# EAGLE board AU_MacroPad with Encoder - 8 Panel (EAGLE 9.6.2), part 4 of 5 (continued)
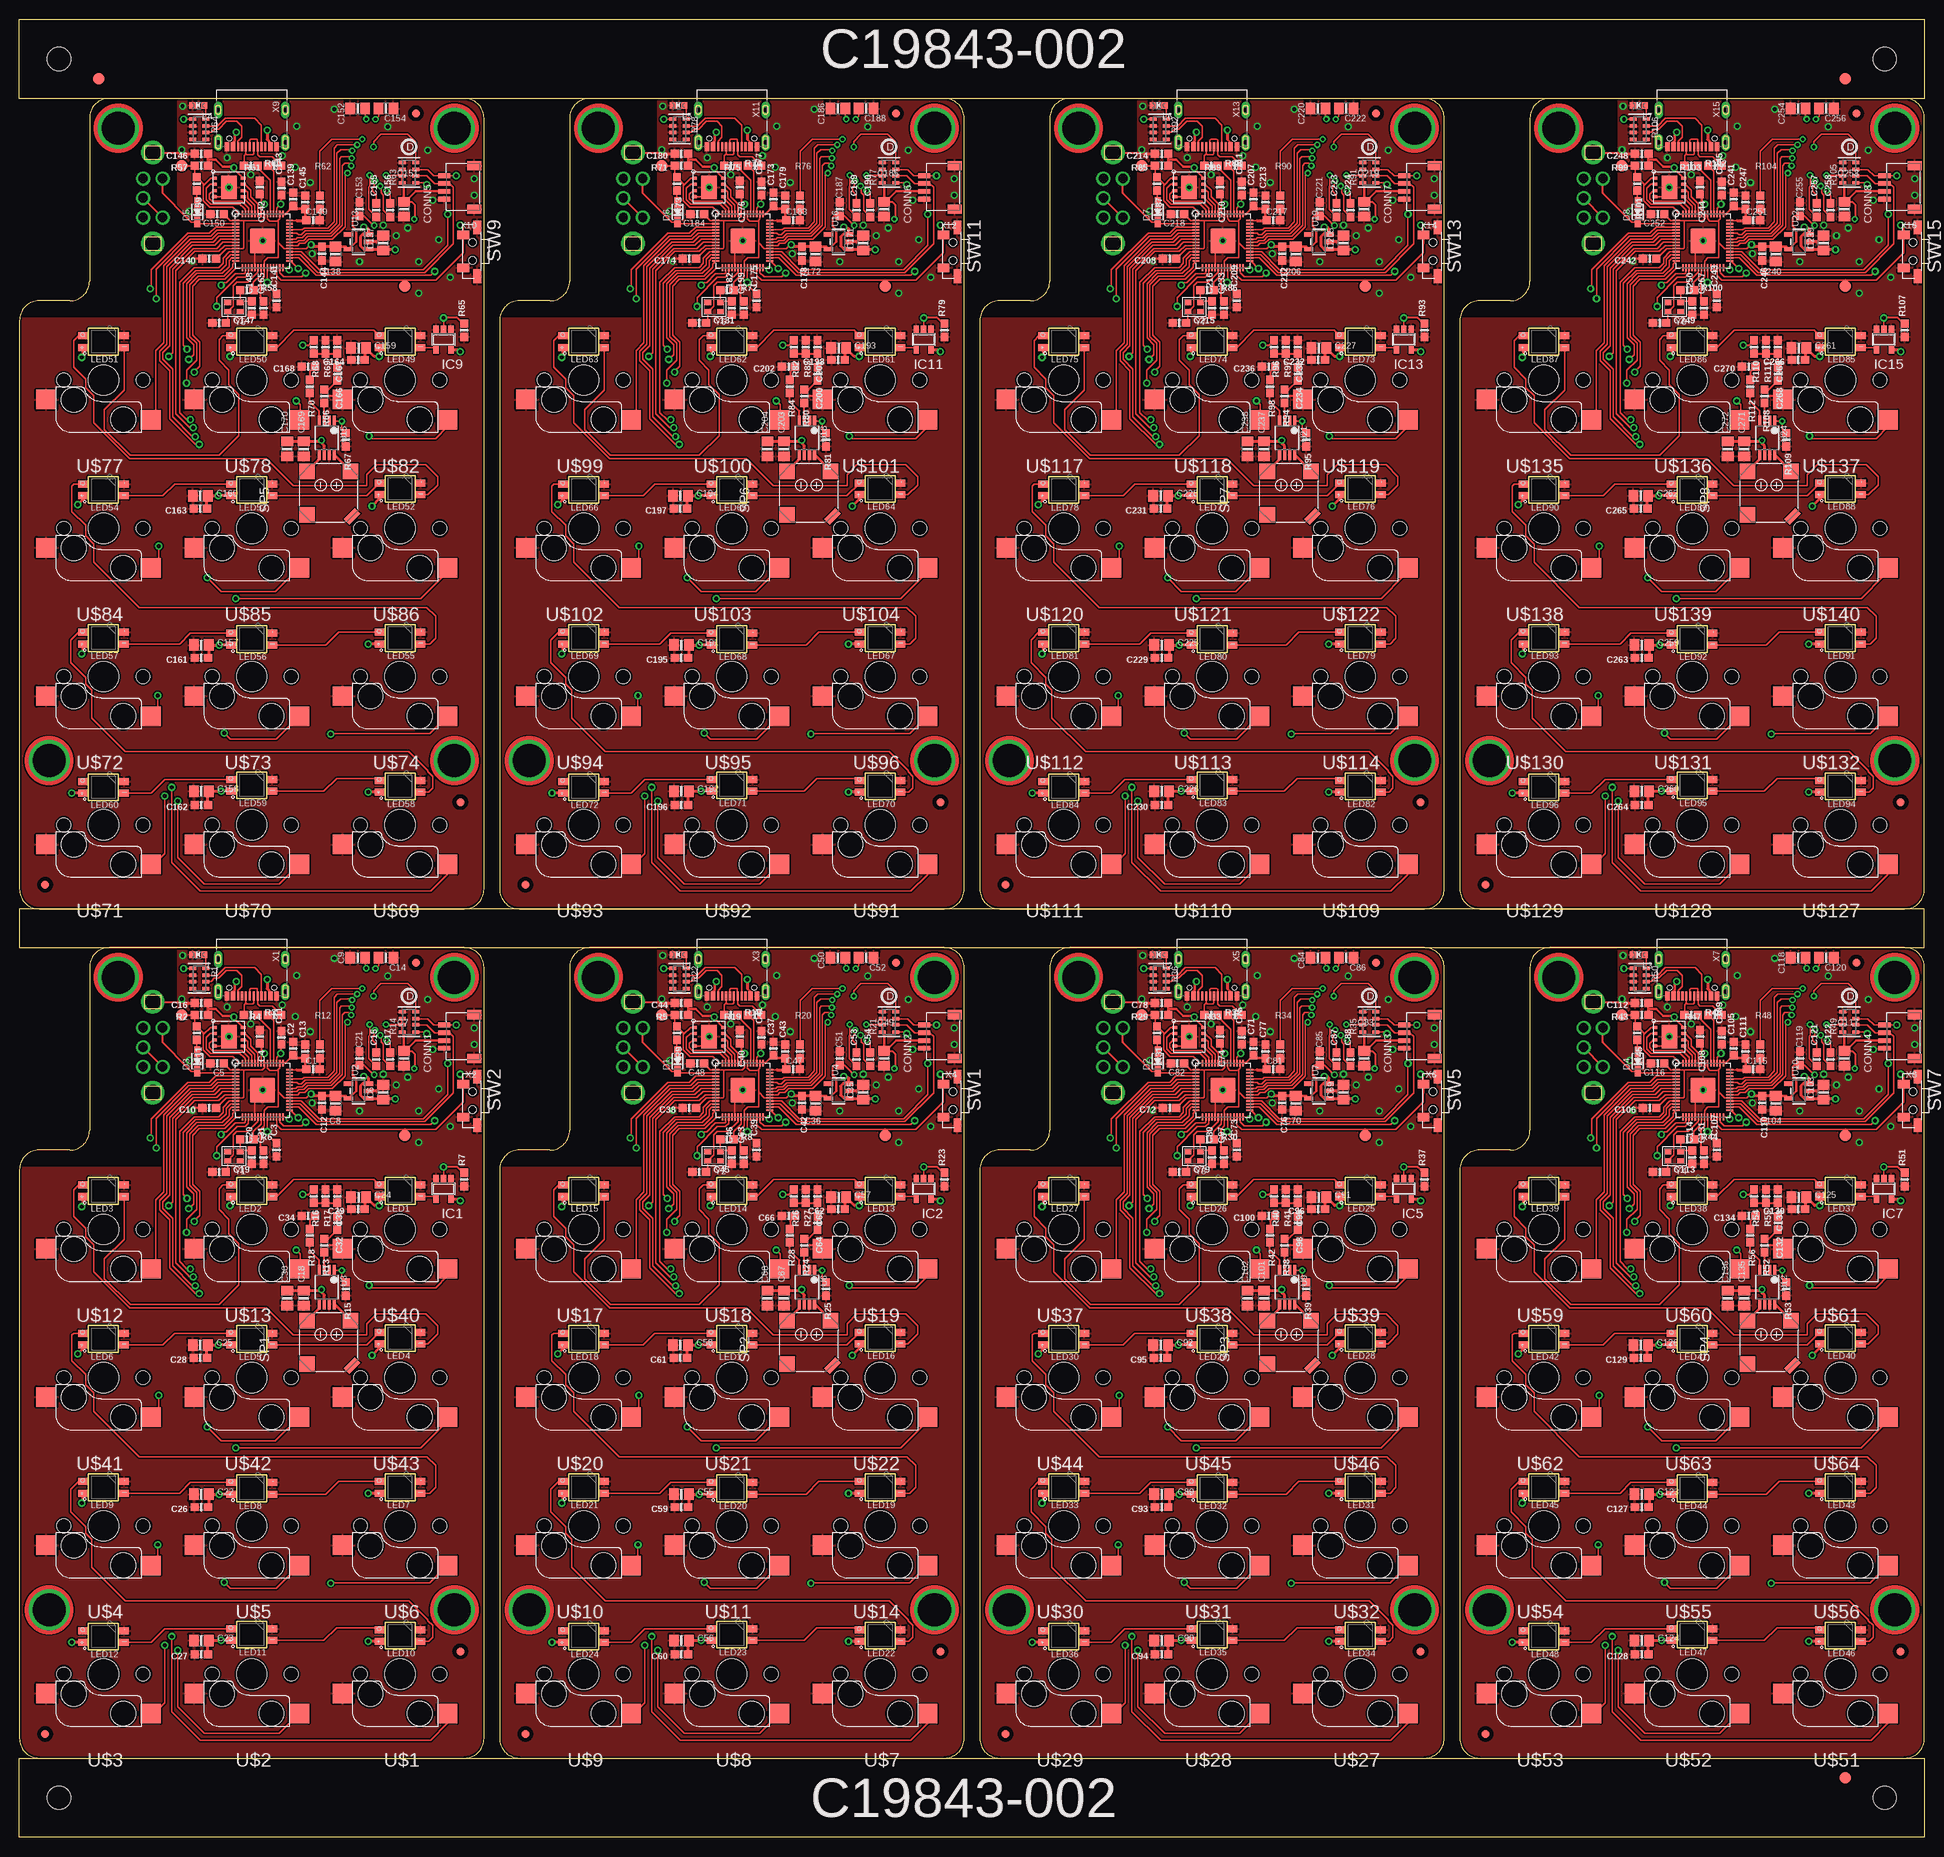
[diagram p0: board, top side]
## Tracks (layer width: path | path; a pad name or v marks a point on that pad's centre or on a via) (continued)
OLED_CS  (via drill 0.39)
  Top 0.178: IC3.34 35.73,95.41 36.02,95.7 36.64,95.7 37.17,96.22 40.22,96.22 41.84,97.85 41.84,104.42 v42.15,104.73
  Bottom 0.178: v42.15,104.73 41.26,105.61 41.26,109.01 41.55,109.29 X2.8
OLED_CS1  (via drill 0.39)
  Top 0.178: IC4.34 97.42,95.41 97.71,95.7 98.33,95.7 98.86,96.22 101.91,96.22 103.53,97.85 103.53,104.42 v103.84,104.73
  Bottom 0.178: v103.84,104.73 102.95,105.61 102.95,109.01 103.24,109.29 X4.8
OLED_CS2  (via drill 0.39)
  Top 0.178: IC6.34 159.11,95.41 159.4,95.7 160.02,95.7 160.55,96.22 163.6,96.22 165.22,97.85 165.22,104.42 v165.53,104.73
  Bottom 0.178: v165.53,104.73 164.64,105.61 164.64,109.01 164.93,109.29 X6.8
OLED_CS3  (via drill 0.39)
  Top 0.178: IC8.34 220.8,95.41 221.09,95.7 221.71,95.7 222.24,96.22 225.29,96.22 226.91,97.85 226.91,104.42 v227.22,104.73
  Bottom 0.178: v227.22,104.73 226.33,105.61 226.33,109.01 226.62,109.29 X8.8
OLED_CS4  (via drill 0.39)
  Top 0.178: IC10.34 35.73,204.55 36.02,204.84 36.64,204.84 37.17,205.37 40.22,205.37 41.84,206.99 41.84,213.56 v42.15,213.87
  Bottom 0.178: v42.15,213.87 41.26,214.76 41.26,218.15 41.55,218.43 X10.8
OLED_CS5  (via drill 0.39)
  Top 0.178: IC12.34 97.42,204.55 97.71,204.84 98.33,204.84 98.86,205.37 101.91,205.37 103.53,206.99 103.53,213.56 v103.84,213.87
  Bottom 0.178: v103.84,213.87 102.95,214.76 102.95,218.15 103.24,218.43 X12.8
OLED_CS6  (via drill 0.39)
  Top 0.178: IC14.34 159.11,204.55 159.4,204.84 160.02,204.84 160.55,205.37 163.6,205.37 165.22,206.99 165.22,213.56 v165.53,213.87
  Bottom 0.178: v165.53,213.87 164.64,214.76 164.64,218.15 164.93,218.43 X14.8
OLED_CS7  (via drill 0.39)
  Top 0.178: IC16.34 220.8,204.55 221.09,204.84 221.71,204.84 222.24,205.37 225.29,205.37 226.91,206.99 226.91,213.56 v227.22,213.87
  Bottom 0.178: v227.22,213.87 226.33,214.76 226.33,218.15 226.62,218.43 X16.8
OLED_DC  (via drill 0.39)
  Top 0.178: IC3.36 35.48,96.21 35.69,96.41 36.35,96.41 36.87,96.94 39.92,96.94 41.13,98.14 41.13,106.59 41.35,106.81 42.52,106.81 v42.7,106.62
  Bottom 0.178: X2.10 42.55,109.13 42.07,108.64 42.07,107.26 v42.7,106.62
OLED_DC1  (via drill 0.39)
  Top 0.178: IC4.36 97.17,96.21 97.37,96.41 98.04,96.41 98.56,96.94 101.61,96.94 102.82,98.14 102.82,106.59 103.04,106.81 104.2,106.81 v104.39,106.62
  Bottom 0.178: X4.10 104.24,109.13 103.75,108.64 103.75,107.26 v104.39,106.62
OLED_DC2  (via drill 0.39)
  Top 0.178: IC6.36 158.87,96.21 159.07,96.41 159.73,96.41 160.25,96.94 163.3,96.94 164.51,98.14 164.51,106.59 164.73,106.81 165.9,106.81 v166.08,106.62
  Bottom 0.178: X6.10 165.93,109.13 165.45,108.64 165.45,107.26 v166.08,106.62
OLED_DC3  (via drill 0.39)
  Top 0.178: IC8.36 220.56,96.21 220.75,96.41 221.42,96.41 221.94,96.94 224.99,96.94 226.2,98.14 226.2,106.59 226.42,106.81 227.59,106.81 v227.77,106.62
  Bottom 0.178: X8.10 227.62,109.13 227.14,108.64 227.14,107.26 v227.77,106.62
OLED_DC4  (via drill 0.39)
  Top 0.178: IC10.36 35.48,205.35 35.69,205.55 36.35,205.55 36.87,206.08 39.92,206.08 41.13,207.28 41.13,215.73 41.35,215.95 42.52,215.95 v42.7,215.76
  Bottom 0.178: X10.10 42.55,218.27 42.07,217.78 42.07,216.4 v42.7,215.76
OLED_DC5  (via drill 0.39)
  Top 0.178: IC12.36 97.17,205.35 97.37,205.55 98.04,205.55 98.56,206.08 101.61,206.08 102.82,207.28 102.82,215.73 103.04,215.95 104.2,215.95 v104.39,215.76
  Bottom 0.178: X12.10 104.24,218.27 103.75,217.78 103.75,216.4 v104.39,215.76
OLED_DC6  (via drill 0.39)
  Top 0.178: IC14.36 158.87,205.35 159.07,205.55 159.73,205.55 160.25,206.08 163.3,206.08 164.51,207.28 164.51,215.73 164.73,215.95 165.9,215.95 v166.08,215.76
  Bottom 0.178: X14.10 165.93,218.27 165.45,217.78 165.45,216.4 v166.08,215.76
OLED_DC7  (via drill 0.39)
  Top 0.178: IC16.36 220.56,205.35 220.75,205.55 221.42,205.55 221.94,206.08 224.99,206.08 226.2,207.28 226.2,215.73 226.42,215.95 227.59,215.95 v227.77,215.76
  Bottom 0.178: X16.10 227.62,218.27 227.14,217.78 227.14,216.4 v227.77,215.76
OLED_RST  (via drill 0.39)
  Top 0.178: IC3.35 35.63,95.81 35.87,96.06 36.5,96.06 37.02,96.58 40.07,96.58 41.48,97.99 41.48,105.68 41.77,105.96 42.3,105.96 v42.62,105.65 | R14.4 50.89,108.68 49.89,109.68 46.42,109.68 45.49,108.75 v45.49,108.08
  Bottom 0.178: X2.9 42.05,109.13 41.71,108.79 41.71,106.55 v42.62,105.65 43.65,105.65 45.49,107.48 v45.49,108.08
OLED_RST1  (via drill 0.39)
  Top 0.178: IC4.35 97.32,95.81 97.56,96.06 98.19,96.06 98.71,96.58 101.76,96.58 103.17,97.99 103.17,105.68 103.46,105.96 103.99,105.96 v104.31,105.65 | R21.4 112.58,108.68 111.58,109.68 108.11,109.68 107.18,108.75 v107.18,108.08
  Bottom 0.178: X4.9 103.74,109.13 103.4,108.79 103.4,106.55 v104.31,105.65 105.34,105.65 107.18,107.48 v107.18,108.08
OLED_RST2  (via drill 0.39)
  Top 0.178: IC6.35 159.01,95.81 159.25,96.06 159.88,96.06 160.4,96.58 163.45,96.58 164.87,97.99 164.87,105.68 165.15,105.96 165.68,105.96 v166,105.65 | R35.4 174.27,108.68 173.27,109.68 169.8,109.68 168.87,108.75 v168.87,108.08
  Bottom 0.178: X6.9 165.43,109.13 165.09,108.79 165.09,106.55 v166,105.65 167.03,105.65 168.87,107.48 v168.87,108.08
OLED_RST3  (via drill 0.39)
  Top 0.178: IC8.35 220.7,95.81 220.94,96.06 221.57,96.06 222.09,96.58 225.14,96.58 226.55,97.99 226.55,105.68 226.84,105.96 227.37,105.96 v227.69,105.65 | R49.4 235.96,108.68 234.96,109.68 231.49,109.68 230.56,108.75 v230.56,108.08
  Bottom 0.178: X8.9 227.12,109.13 226.78,108.79 226.78,106.55 v227.69,105.65 228.72,105.65 230.56,107.48 v230.56,108.08
OLED_RST4  (via drill 0.39)
  Top 0.178: IC10.35 35.63,204.95 35.87,205.2 36.5,205.2 37.02,205.72 40.07,205.72 41.48,207.14 41.48,214.82 41.77,215.1 42.3,215.1 v42.62,214.79 | R63.4 50.89,217.82 49.89,218.82 46.42,218.82 45.49,217.89 v45.49,217.22
  Bottom 0.178: X10.9 42.05,218.27 41.71,217.93 41.71,215.69 v42.62,214.79 43.65,214.79 45.49,216.63 v45.49,217.22
OLED_RST5  (via drill 0.39)
  Top 0.178: IC12.35 97.32,204.95 97.56,205.2 98.19,205.2 98.71,205.72 101.76,205.72 103.17,207.14 103.17,214.82 103.46,215.1 103.99,215.1 v104.31,214.79 | R77.4 112.58,217.82 111.58,218.82 108.11,218.82 107.18,217.89 v107.18,217.22
  Bottom 0.178: X12.9 103.74,218.27 103.4,217.93 103.4,215.69 v104.31,214.79 105.34,214.79 107.18,216.63 v107.18,217.22
OLED_RST6  (via drill 0.39)
  Top 0.178: IC14.35 159.01,204.95 159.25,205.2 159.88,205.2 160.4,205.72 163.45,205.72 164.87,207.14 164.87,214.82 165.15,215.1 165.68,215.1 v166,214.79 | R91.4 174.27,217.82 173.27,218.82 169.8,218.82 168.87,217.89 v168.87,217.22
  Bottom 0.178: X14.9 165.43,218.27 165.09,217.93 165.09,215.69 v166,214.79 167.03,214.79 168.87,216.63 v168.87,217.22
OLED_RST7  (via drill 0.39)
  Top 0.178: IC16.35 220.7,204.95 220.94,205.2 221.57,205.2 222.09,205.72 225.14,205.72 226.55,207.14 226.55,214.82 226.84,215.1 227.37,215.1 v227.69,214.79 | R105.4 235.96,217.82 234.96,218.82 231.49,218.82 230.56,217.89 v230.56,217.22
  Bottom 0.178: X16.9 227.12,218.27 226.78,217.93 226.78,215.69 v227.69,214.79 228.72,214.79 230.56,216.63 v230.56,217.22
QSPI_CS
  Top 0.203: IC3.56 28.27,99.46 27.4,100.33 24.43,100.33 23.62,101.14 23.62,103.12 | 23.62,103.12 24.57,104.07 U1.1 | R2.2 22.52,105.41 22.52,104.46 R11.1 23.62,103.35 23.62,103.12
  Top 0.254: TP6.P$1 22.26,105.66 22.52,105.41
QSPI_CS1
  Top 0.203: IC4.56 89.96,99.46 89.09,100.33 86.12,100.33 85.31,101.14 85.31,103.12 | 85.31,103.12 86.26,104.07 U5.1 | R5.2 84.21,105.41 84.21,104.46 R9.1 85.31,103.35 85.31,103.12
  Top 0.254: TP11.P$1 83.95,105.66 84.21,105.41
QSPI_CS2
  Top 0.203: IC6.56 151.65,99.46 150.78,100.33 147.81,100.33 147,101.14 147,103.12 | 147,103.12 147.95,104.07 U8.1 | R29.2 145.9,105.41 145.9,104.46 R31.1 147,103.35 147,103.12
  Top 0.254: TP17.P$1 145.64,105.66 145.9,105.41
QSPI_CS3
  Top 0.203: IC8.56 213.34,99.46 212.47,100.33 209.5,100.33 208.69,101.14 208.69,103.12 | 208.69,103.12 209.64,104.07 U11.1 | R43.2 207.59,105.41 207.59,104.46 R45.1 208.69,103.35 208.69,103.12
  Top 0.254: TP23.P$1 207.33,105.66 207.59,105.41
QSPI_CS4
  Top 0.203: IC10.56 28.27,208.6 27.4,209.47 24.43,209.47 23.62,210.28 23.62,212.26 | 23.62,212.26 24.57,213.21 U14.1 | R57.2 22.52,214.55 22.52,213.6 R59.1 23.62,212.49 23.62,212.26
  Top 0.254: TP29.P$1 22.26,214.81 22.52,214.55
QSPI_CS5
  Top 0.203: IC12.56 89.96,208.6 89.09,209.47 86.12,209.47 85.31,210.28 85.31,212.26 | 85.31,212.26 86.26,213.21 U17.1 | R71.2 84.21,214.55 84.21,213.6 R73.1 85.31,212.49 85.31,212.26
  Top 0.254: TP35.P$1 83.95,214.81 84.21,214.55
QSPI_CS6
  Top 0.203: IC14.56 151.65,208.6 150.78,209.47 147.81,209.47 147,210.28 147,212.26 | 147,212.26 147.95,213.21 U20.1 | R85.2 145.9,214.55 145.9,213.6 R87.1 147,212.49 147,212.26
  Top 0.254: TP41.P$1 145.64,214.81 145.9,214.55
QSPI_CS7
  Top 0.203: IC16.56 213.34,208.6 212.47,209.47 209.5,209.47 208.69,210.28 208.69,212.26 | 208.69,212.26 209.64,213.21 U23.1 | R99.2 207.59,214.55 207.59,213.6 R101.1 208.69,212.49 208.69,212.26
  Top 0.254: TP47.P$1 207.33,214.81 207.59,214.55
QSPI_DATA[0]
  Top 0.203: IC3.53 29.84,100.46 28.76,101.54 U1.5
QSPI_DATA[0]1
  Top 0.203: IC4.53 91.53,100.46 90.45,101.54 U5.5
QSPI_DATA[0]2
  Top 0.203: IC6.53 153.22,100.46 152.14,101.54 U8.5
QSPI_DATA[0]3
  Top 0.203: IC8.53 214.91,100.46 213.83,101.54 U11.5
QSPI_DATA[0]4
  Top 0.203: IC10.53 29.84,209.6 28.76,210.68 U14.5
QSPI_DATA[0]5
  Top 0.203: IC12.53 91.53,209.6 90.45,210.68 U17.5
QSPI_DATA[0]6
  Top 0.203: IC14.53 153.22,209.6 152.14,210.68 U20.5
QSPI_DATA[0]7
  Top 0.203: IC16.53 214.91,209.6 213.83,210.68 U23.5
QSPI_DATA[1]
  Top 0.203: U1.2 24.53,103.27 24,102.74 24,101.29 24.59,100.71 28.32,100.71 28.85,100.18 28.86,100.18 29.04,99.99 IC3.55
QSPI_DATA[1]1
  Top 0.203: U5.2 86.22,103.27 85.69,102.74 85.69,101.29 86.28,100.71 90.01,100.71 90.54,100.18 90.55,100.18 90.73,99.99 IC4.55
QSPI_DATA[1]2
  Top 0.203: U8.2 147.91,103.27 147.38,102.74 147.38,101.29 147.97,100.71 151.7,100.71 152.23,100.18 152.24,100.18 152.42,99.99 IC6.55
QSPI_DATA[1]3
  Top 0.203: U11.2 209.6,103.27 209.07,102.74 209.07,101.29 209.66,100.71 213.39,100.71 213.92,100.18 213.93,100.18 214.11,99.99 IC8.55
QSPI_DATA[1]4
  Top 0.203: U14.2 24.53,212.41 24,211.88 24,210.44 24.59,209.85 28.32,209.85 28.85,209.32 28.86,209.32 29.04,209.14 IC10.55
QSPI_DATA[1]5
  Top 0.203: U17.2 86.22,212.41 85.69,211.88 85.69,210.44 86.28,209.85 90.01,209.85 90.54,209.32 90.55,209.32 90.73,209.14 IC12.55
QSPI_DATA[1]6
  Top 0.203: U20.2 147.91,212.41 147.38,211.88 147.38,210.44 147.97,209.85 151.7,209.85 152.23,209.32 152.24,209.32 152.42,209.14 IC14.55
QSPI_DATA[1]7
  Top 0.203: U23.2 209.6,212.41 209.07,211.88 209.07,210.44 209.66,209.85 213.39,209.85 213.92,209.32 213.93,209.32 214.11,209.14 IC16.55
QSPI_DATA[2]
  Top 0.203: IC3.54 29.44,100.2 28.55,101.09 25.8,101.09 25.79,101.09 24.74,101.09 24.38,101.45 24.38,101.98 24.87,102.47 U1.3
QSPI_DATA[2]1
  Top 0.203: IC4.54 91.13,100.2 90.24,101.09 87.48,101.09 86.43,101.09 86.07,101.45 86.07,101.98 86.56,102.47 U5.3
QSPI_DATA[2]2
  Top 0.203: IC6.54 152.82,100.2 151.93,101.09 149.18,101.09 148.12,101.09 147.76,101.45 147.76,101.98 148.25,102.47 U8.3
QSPI_DATA[2]3
  Top 0.203: IC8.54 214.51,100.2 213.62,101.09 210.87,101.09 210.86,101.09 209.81,101.09 209.45,101.45 209.45,101.98 209.94,102.47 U11.3
QSPI_DATA[2]4
  Top 0.203: IC10.54 29.44,209.34 28.55,210.23 25.8,210.23 25.79,210.23 24.74,210.23 24.38,210.59 24.38,211.12 24.87,211.61 U14.3
QSPI_DATA[2]5
  Top 0.203: IC12.54 91.13,209.34 90.24,210.23 87.48,210.23 86.43,210.23 86.07,210.59 86.07,211.12 86.56,211.61 U17.3
QSPI_DATA[2]6
  Top 0.203: IC14.54 152.82,209.34 151.93,210.23 149.18,210.23 148.12,210.23 147.76,210.59 147.76,211.12 148.25,211.61 U20.3
QSPI_DATA[2]7
  Top 0.203: IC16.54 214.51,209.34 213.62,210.23 210.87,210.23 210.86,210.23 209.81,210.23 209.45,210.59 209.45,211.12 209.94,211.61 U23.3
QSPI_DATA[3]
  Top 0.203: IC3.51 30.62,99.48 30.62,100.76 29.72,101.66 29.72,102.48 28.94,103.27 U1.7
QSPI_DATA[3]1
  Top 0.203: IC4.51 92.31,99.48 92.31,100.76 91.41,101.66 91.41,102.48 90.63,103.27 U5.7
QSPI_DATA[3]2
  Top 0.203: IC6.51 154,99.48 154,100.76 153.1,101.66 153.1,102.48 152.32,103.27 U8.7
QSPI_DATA[3]3
  Top 0.203: IC8.51 215.69,99.48 215.69,100.76 214.79,101.66 214.79,102.48 214.01,103.27 U11.7
QSPI_DATA[3]4
  Top 0.203: IC10.51 30.62,208.62 30.62,209.9 29.72,210.8 29.72,211.63 28.94,212.41 U14.7
QSPI_DATA[3]5
  Top 0.203: IC12.51 92.31,208.62 92.31,209.9 91.41,210.8 91.41,211.63 90.63,212.41 U17.7
QSPI_DATA[3]6
  Top 0.203: IC14.51 154,208.62 154,209.9 153.1,210.8 153.1,211.63 152.32,212.41 U20.7
QSPI_DATA[3]7
  Top 0.203: IC16.51 215.69,208.62 215.69,209.9 214.79,210.8 214.79,211.63 214.01,212.41 U23.7
QSPI_SCK
  Top 0.203: U1.6 29.1,102.47 29.34,102.23 29.34,101.5 30.24,100.6 IC3.52
QSPI_SCK1
  Top 0.203: U5.6 90.79,102.47 91.03,102.23 91.03,101.5 91.93,100.6 IC4.52
QSPI_SCK2
  Top 0.203: U8.6 152.48,102.47 152.72,102.23 152.72,101.5 153.62,100.6 IC6.52
QSPI_SCK3
  Top 0.203: U11.6 214.17,102.47 214.41,102.23 214.41,101.5 215.31,100.6 IC8.52
QSPI_SCK4
  Top 0.203: U14.6 29.1,211.61 29.34,211.37 29.34,210.64 30.24,209.74 IC10.52
QSPI_SCK5
  Top 0.203: U17.6 90.79,211.61 91.03,211.37 91.03,210.64 91.93,209.74 IC12.52
QSPI_SCK6
  Top 0.203: U20.6 152.48,211.61 152.72,211.37 152.72,210.64 153.62,209.74 IC14.52
QSPI_SCK7
  Top 0.203: U23.6 214.17,211.61 214.41,211.37 214.41,210.64 215.31,209.74 IC16.52
ROTA  (via drill 0.5)
  Top 0.203: IC3.28 34.41,92.56 v34.67,92.3
  Bottom 0.203: v34.67,92.3 34.67,91.41 32.29,89.03 25.46,89.03 22.8,91.69 14.82,91.69 14.12,92.39 14.12,97.55 SW3.A
ROTA1  (via drill 0.5)
  Top 0.203: IC4.28 96.1,92.56 v96.36,92.3
  Bottom 0.203: v96.36,92.3 96.36,91.41 93.98,89.03 87.15,89.03 84.48,91.69 76.51,91.69 75.81,92.39 75.81,97.55 SW4.A
ROTA2  (via drill 0.5)
  Top 0.203: IC6.28 157.79,92.56 v158.05,92.3
  Bottom 0.203: v158.05,92.3 158.05,91.41 155.67,89.03 148.84,89.03 146.18,91.69 138.2,91.69 137.5,92.39 137.5,97.55 SW6.A
ROTA3  (via drill 0.5)
  Top 0.203: IC8.28 219.48,92.56 v219.74,92.3
  Bottom 0.203: v219.74,92.3 219.74,91.41 217.36,89.03 210.53,89.03 207.87,91.69 199.89,91.69 199.19,92.39 199.19,97.55 SW8.A
ROTA4  (via drill 0.5)
  Top 0.203: IC10.28 34.41,201.7 v34.67,201.44
  Bottom 0.203: v34.67,201.44 34.67,200.55 32.29,198.17 25.46,198.17 22.8,200.84 14.82,200.84 14.12,201.54 14.12,206.69 SW10.A
ROTA5  (via drill 0.5)
  Top 0.203: IC12.28 96.1,201.7 v96.36,201.44
  Bottom 0.203: v96.36,201.44 96.36,200.55 93.98,198.17 87.15,198.17 84.48,200.84 76.51,200.84 75.81,201.54 75.81,206.69 SW12.A
ROTA6  (via drill 0.5)
  Top 0.203: IC14.28 157.79,201.7 v158.05,201.44
  Bottom 0.203: v158.05,201.44 158.05,200.55 155.67,198.17 148.84,198.17 146.18,200.84 138.2,200.84 137.5,201.54 137.5,206.69 SW14.A
ROTA7  (via drill 0.5)
  Top 0.203: IC16.28 219.48,201.7 v219.74,201.44
  Bottom 0.203: v219.74,201.44 219.74,200.55 217.36,198.17 210.53,198.17 207.87,200.84 199.89,200.84 199.19,201.54 199.19,206.69 SW16.A
ROTB  (via drill 0.5)
  Top 0.203: v35.81,92.46 34.86,93.41 IC3.29
  Bottom 0.203: v35.81,92.46 35.81,91.95 32.45,88.58 25.31,88.58 22.7,91.19 13.54,91.19 12.96,91.77 12.96,101.39 SW3.B
ROTB1  (via drill 0.5)
  Top 0.203: v97.5,92.46 96.55,93.41 IC4.29
  Bottom 0.203: v97.5,92.46 97.5,91.95 94.14,88.58 87,88.58 84.39,91.19 75.23,91.19 74.64,91.77 74.64,101.39 SW4.B
ROTB2  (via drill 0.5)
  Top 0.203: v159.19,92.46 158.24,93.41 IC6.29
  Bottom 0.203: v159.19,92.46 159.19,91.95 155.83,88.58 148.69,88.58 146.08,91.19 136.92,91.19 136.34,91.77 136.34,101.39 SW6.B
ROTB3  (via drill 0.5)
  Top 0.203: v220.88,92.46 219.93,93.41 IC8.29
  Bottom 0.203: v220.88,92.46 220.88,91.95 217.52,88.58 210.38,88.58 207.77,91.19 198.61,91.19 198.03,91.77 198.03,101.39 SW8.B
ROTB4  (via drill 0.5)
  Top 0.203: v35.81,201.6 34.86,202.55 IC10.29
  Bottom 0.203: v35.81,201.6 35.81,201.09 32.45,197.72 25.31,197.72 22.7,200.33 13.54,200.33 12.96,200.91 12.96,210.53 SW10.B
ROTB5  (via drill 0.5)
  Top 0.203: v97.5,201.6 96.55,202.55 IC12.29
  Bottom 0.203: v97.5,201.6 97.5,201.09 94.14,197.72 87,197.72 84.39,200.33 75.23,200.33 74.64,200.91 74.64,210.53 SW12.B
ROTB6  (via drill 0.5)
  Top 0.203: v159.19,201.6 158.24,202.55 IC14.29
  Bottom 0.203: v159.19,201.6 159.19,201.09 155.83,197.72 148.69,197.72 146.08,200.33 136.92,200.33 136.34,200.91 136.34,210.53 SW14.B
ROTB7  (via drill 0.5)
  Top 0.203: v220.88,201.6 219.93,202.55 IC16.29
  Bottom 0.203: v220.88,201.6 220.88,201.09 217.52,197.72 210.38,197.72 207.77,200.33 198.61,200.33 198.03,200.91 198.03,210.53 SW16.B
SCK  (via drill 0.39)
  Top 0.178: IC3.38 35.63,97.01 35.87,96.77 36.2,96.77 36.73,97.29 39.77,97.29 40.77,98.29 40.77,107.25 41.26,107.74 42.6,107.74 v42.73,107.6
  Bottom 0.178: v42.73,107.6 42.73,108.04 42.63,108.15 42.63,108.7 43.02,109.09 43.03,109.09 43.03,109.52 43.05,109.53 X2.11
SCK1  (via drill 0.39)
  Top 0.178: IC4.38 97.32,97.01 97.56,96.77 97.89,96.77 98.41,97.29 101.46,97.29 102.46,98.29 102.46,107.25 102.95,107.74 104.28,107.74 v104.42,107.6
  Bottom 0.178: v104.42,107.6 104.42,108.04 104.31,108.15 104.31,108.7 104.71,109.09 104.72,109.09 104.72,109.52 104.74,109.53 X4.11
SCK2  (via drill 0.39)
  Top 0.178: IC6.38 159.01,97.01 159.25,96.77 159.58,96.77 160.1,97.29 163.16,97.29 164.15,98.29 164.15,107.25 164.64,107.74 165.98,107.74 v166.11,107.6
  Bottom 0.178: v166.11,107.6 166.11,108.04 166.01,108.15 166.01,108.7 166.4,109.09 166.41,109.09 166.41,109.52 166.43,109.53 X6.11
SCK3  (via drill 0.39)
  Top 0.178: IC8.38 220.7,97.01 220.94,96.77 221.27,96.77 221.79,97.29 224.84,97.29 225.84,98.29 225.84,107.25 226.33,107.74 227.67,107.74 v227.8,107.6
  Bottom 0.178: v227.8,107.6 227.8,108.04 227.7,108.15 227.7,108.7 228.09,109.09 228.1,109.09 228.1,109.52 228.12,109.53 X8.11
SCK4  (via drill 0.39)
  Top 0.178: IC10.38 35.63,206.15 35.87,205.91 36.2,205.91 36.73,206.43 39.77,206.43 40.77,207.43 40.77,216.39 41.26,216.88 42.6,216.88 v42.73,216.74
  Bottom 0.178: v42.73,216.74 42.73,217.18 42.63,217.29 42.63,217.84 43.02,218.23 43.03,218.23 43.03,218.66 43.05,218.67 X10.11
SCK5  (via drill 0.39)
  Top 0.178: IC12.38 97.32,206.15 97.56,205.91 97.89,205.91 98.41,206.43 101.46,206.43 102.46,207.43 102.46,216.39 102.95,216.88 104.28,216.88 v104.42,216.74
  Bottom 0.178: v104.42,216.74 104.42,217.18 104.31,217.29 104.31,217.84 104.71,218.23 104.72,218.23 104.72,218.66 104.74,218.67 X12.11
SCK6  (via drill 0.39)
  Top 0.178: IC14.38 159.01,206.15 159.25,205.91 159.58,205.91 160.1,206.43 163.16,206.43 164.15,207.43 164.15,216.39 164.64,216.88 165.98,216.88 v166.11,216.74
  Bottom 0.178: v166.11,216.74 166.11,217.18 166.01,217.29 166.01,217.84 166.4,218.23 166.41,218.23 166.41,218.66 166.43,218.67 X14.11
SCK7  (via drill 0.39)
  Top 0.178: IC16.38 220.7,206.15 220.94,205.91 221.27,205.91 221.79,206.43 224.84,206.43 225.84,207.43 225.84,216.39 226.33,216.88 227.67,216.88 v227.8,216.74
  Bottom 0.178: v227.8,216.74 227.8,217.18 227.7,217.29 227.7,217.84 228.09,218.23 228.1,218.23 228.1,218.66 228.12,218.67 X16.11
SCL  (via drill 0.5)
  Top 0.203: R14.3 52.43,105.17 53.24,104.37 CONN1.4 56.11,104.37 v56.13,104.39 | IC3.32 36.23,94.61 38.51,92.33 51.91,92.33 55.02,95.44 v55.02,99.44
  Bottom 0.203: v55.02,99.44 55.02,103.28 v56.13,104.39
SCL1  (via drill 0.5)
  Top 0.203: R21.3 114.12,105.17 114.93,104.37 CONN2.4 117.8,104.37 v117.82,104.39 | IC4.32 97.92,94.61 100.2,92.33 113.6,92.33 116.71,95.44 v116.71,99.44
  Bottom 0.203: v116.71,99.44 116.71,103.28 v117.82,104.39
SCL2  (via drill 0.5)
  Top 0.203: R35.3 175.81,105.17 176.62,104.37 CONN3.4 179.49,104.37 v179.51,104.39 | IC6.32 159.61,94.61 161.89,92.33 175.29,92.33 178.4,95.44 v178.4,99.44
  Bottom 0.203: v178.4,99.44 178.4,103.28 v179.51,104.39
SCL3  (via drill 0.5)
  Top 0.203: R49.3 237.5,105.17 238.31,104.37 CONN4.4 241.18,104.37 v241.2,104.39 | IC8.32 221.3,94.61 223.58,92.33 236.98,92.33 240.09,95.44 v240.09,99.44
  Bottom 0.203: v240.09,99.44 240.09,103.28 v241.2,104.39
SCL4  (via drill 0.5)
  Top 0.203: R63.3 52.43,214.32 53.24,213.51 CONN5.4 56.11,213.51 v56.13,213.53 | IC10.32 36.23,203.75 38.51,201.47 51.91,201.47 55.02,204.58 v55.02,208.58
  Bottom 0.203: v55.02,208.58 55.02,212.42 v56.13,213.53
SCL5  (via drill 0.5)
  Top 0.203: R77.3 114.12,214.32 114.93,213.51 CONN6.4 117.8,213.51 v117.82,213.53 | IC12.32 97.92,203.75 100.2,201.47 113.6,201.47 116.71,204.58 v116.71,208.58
  Bottom 0.203: v116.71,208.58 116.71,212.42 v117.82,213.53
SCL6  (via drill 0.5)
  Top 0.203: R91.3 175.81,214.32 176.62,213.51 CONN7.4 179.49,213.51 v179.51,213.53 | IC14.32 159.61,203.75 161.89,201.47 175.29,201.47 178.4,204.58 v178.4,208.58
  Bottom 0.203: v178.4,208.58 178.4,212.42 v179.51,213.53
SCL7  (via drill 0.5)
  Top 0.203: R105.3 237.5,214.32 238.31,213.51 CONN8.4 241.18,213.51 v241.2,213.53 | IC16.32 221.3,203.75 223.58,201.47 236.98,201.47 240.09,204.58 v240.09,208.58
  Bottom 0.203: v240.09,208.58 240.09,212.42 v241.2,213.53
SDA
  Top 0.203: R14.2 52.34,104.38 53.35,103.37 CONN1.3 55.25,103.37 55.75,102.87 55.75,95.63 52.07,91.95 38.35,91.95 36.09,94.21 IC3.31
SDA1
  Top 0.203: R21.2 114.03,104.38 115.04,103.37 CONN2.3 116.94,103.37 117.44,102.87 117.44,95.63 113.76,91.95 100.04,91.95 97.78,94.21 IC4.31
SDA2
  Top 0.203: R35.2 175.72,104.38 176.73,103.37 CONN3.3 178.63,103.37 179.13,102.87 179.13,95.63 175.45,91.95 161.73,91.95 159.47,94.21 IC6.31
SDA3
  Top 0.203: R49.2 237.41,104.38 238.42,103.37 CONN4.3 240.32,103.37 240.82,102.87 240.82,95.63 237.14,91.95 223.42,91.95 221.16,94.21 IC8.31
SDA4
  Top 0.203: R63.2 52.34,213.52 53.35,212.51 CONN5.3 55.25,212.51 55.75,212.01 55.75,204.77 52.07,201.09 38.35,201.09 36.09,203.35 IC10.31
SDA5
  Top 0.203: R77.2 114.03,213.52 115.04,212.51 CONN6.3 116.94,212.51 117.44,212.01 117.44,204.77 113.76,201.09 100.04,201.09 97.78,203.35 IC12.31
SDA6
  Top 0.203: R91.2 175.72,213.52 176.73,212.51 CONN7.3 178.63,212.51 179.13,212.01 179.13,204.77 175.45,201.09 161.73,201.09 159.47,203.35 IC14.31
SDA7
  Top 0.203: R105.2 237.41,213.52 238.42,212.51 CONN8.3 240.32,212.51 240.82,212.01 240.82,204.77 237.14,201.09 223.42,201.09 221.16,203.35 IC16.31
SPEAKER  (via drill 0.5)
  Top 0.203: IC3.27 33.44,91.91 33.98,91.37 36.27,91.37 v36.78,91.88
  Top 0.254: v36.39,82.61 37.19,82.61 R16.1
  Bottom 0.203: v36.78,91.88 36.51,91.88 35.05,90.42 35.05,85.02 35.56,84.52 35.56,83.44 v36.39,82.61
SPEAKER1  (via drill 0.5)
  Top 0.203: IC4.27 95.13,91.91 95.67,91.37 97.96,91.37 v98.47,91.88
  Top 0.254: v98.07,82.61 98.88,82.61 R26.1
  Bottom 0.203: v98.47,91.88 98.2,91.88 96.74,90.42 96.74,85.02 97.25,84.52 97.25,83.44 v98.07,82.61
SPEAKER2  (via drill 0.5)
  Top 0.203: IC6.27 156.82,91.91 157.36,91.37 159.65,91.37 v160.16,91.88
  Top 0.254: v159.77,82.61 160.57,82.61 R40.1
  Bottom 0.203: v160.16,91.88 159.89,91.88 158.43,90.42 158.43,85.02 158.94,84.52 158.94,83.44 v159.77,82.61
SPEAKER3  (via drill 0.5)
  Top 0.203: IC8.27 218.51,91.91 219.05,91.37 221.34,91.37 v221.85,91.88
  Top 0.254: v221.46,82.61 222.26,82.61 R54.1
  Bottom 0.203: v221.85,91.88 221.58,91.88 220.12,90.42 220.12,85.02 220.63,84.52 220.63,83.44 v221.46,82.61
SPEAKER4  (via drill 0.5)
  Top 0.203: IC10.27 33.44,201.05 33.98,200.51 36.27,200.51 v36.78,201.02
  Top 0.254: v36.39,191.75 37.19,191.75 R68.1
  Bottom 0.203: v36.78,201.02 36.51,201.02 35.05,199.56 35.05,194.17 35.56,193.66 35.56,192.58 v36.39,191.75
SPEAKER5  (via drill 0.5)
  Top 0.203: IC12.27 95.13,201.05 95.67,200.51 97.96,200.51 v98.47,201.02
  Top 0.254: v98.07,191.75 98.88,191.75 R82.1
  Bottom 0.203: v98.47,201.02 98.2,201.02 96.74,199.56 96.74,194.17 97.25,193.66 97.25,192.58 v98.07,191.75
SPEAKER6  (via drill 0.5)
  Top 0.203: IC14.27 156.82,201.05 157.36,200.51 159.65,200.51 v160.16,201.02
  Top 0.254: v159.77,191.75 160.57,191.75 R96.1
  Bottom 0.203: v160.16,201.02 159.89,201.02 158.43,199.56 158.43,194.17 158.94,193.66 158.94,192.58 v159.77,191.75
SPEAKER7  (via drill 0.5)
  Top 0.203: IC16.27 218.51,201.05 219.05,200.51 221.34,200.51 v221.85,201.02
  Top 0.254: v221.46,191.75 222.26,191.75 R110.1
  Bottom 0.203: v221.85,201.02 221.58,201.02 220.12,199.56 220.12,194.17 220.63,193.66 220.63,192.58 v221.46,191.75
SPKR_SD  (via drill 0.39, 0.5)
  Top 0.203: IC3.17 29.42,92.54 29.42,91.75 28.99,91.31 27.95,91.31 25.37,88.73 v25.37,87.58 | U3.1 40.55,72.82 v41.43,72.82 41.43,71.81 R15.1
  Bottom 0.203: v25.37,87.58 26.46,86.49 33.05,86.49 34.99,84.55 34.99,80.53 40.14,75.38 40.14,74.11 v41.43,72.82
SPKR_SD1  (via drill 0.39, 0.5)
  Top 0.203: IC4.17 91.11,92.54 91.11,91.75 90.68,91.31 89.64,91.31 87.06,88.73 v87.06,87.58 | U6.1 102.24,72.82 v103.12,72.82 103.12,71.81 R25.1
  Bottom 0.203: v87.06,87.58 88.15,86.49 94.74,86.49 96.68,84.55 96.68,80.53 101.83,75.38 101.83,74.11 v103.12,72.82
SPKR_SD2  (via drill 0.39, 0.5)
  Top 0.203: IC6.17 152.8,92.54 152.8,91.75 152.37,91.31 151.33,91.31 148.75,88.73 v148.75,87.58 | U9.1 163.93,72.82 v164.81,72.82 164.81,71.81 R39.1
  Bottom 0.203: v148.75,87.58 149.84,86.49 156.43,86.49 158.37,84.55 158.37,80.53 163.52,75.38 163.52,74.11 v164.81,72.82
SPKR_SD3  (via drill 0.39, 0.5)
  Top 0.203: IC8.17 214.49,92.54 214.49,91.75 214.06,91.31 213.02,91.31 210.44,88.73 v210.44,87.58 | U12.1 225.62,72.82 v226.5,72.82 226.5,71.81 R53.1
  Bottom 0.203: v210.44,87.58 211.53,86.49 218.12,86.49 220.06,84.55 220.06,80.53 225.21,75.38 225.21,74.11 v226.5,72.82
SPKR_SD4  (via drill 0.39, 0.5)
  Top 0.203: IC10.17 29.42,201.68 29.42,200.89 28.99,200.45 27.95,200.45 25.37,197.87 v25.37,196.72 | U15.1 40.55,181.96 v41.43,181.96 41.43,180.95 R67.1